# Altium PCB ct_mainpcb.PcbDoc (part 3 of 3)
Units mil, origin at the board's own origin, x right, y up, seen from the top; angles counter-clockwise.
Board outline 3320.87 x 2230 mil, 4 copper layers (Component Side, Ground Plane, Power Plane, Solder Side), stack 33.156 mil thick; 163 components, 169 nets, 876 pads, 286 vias.
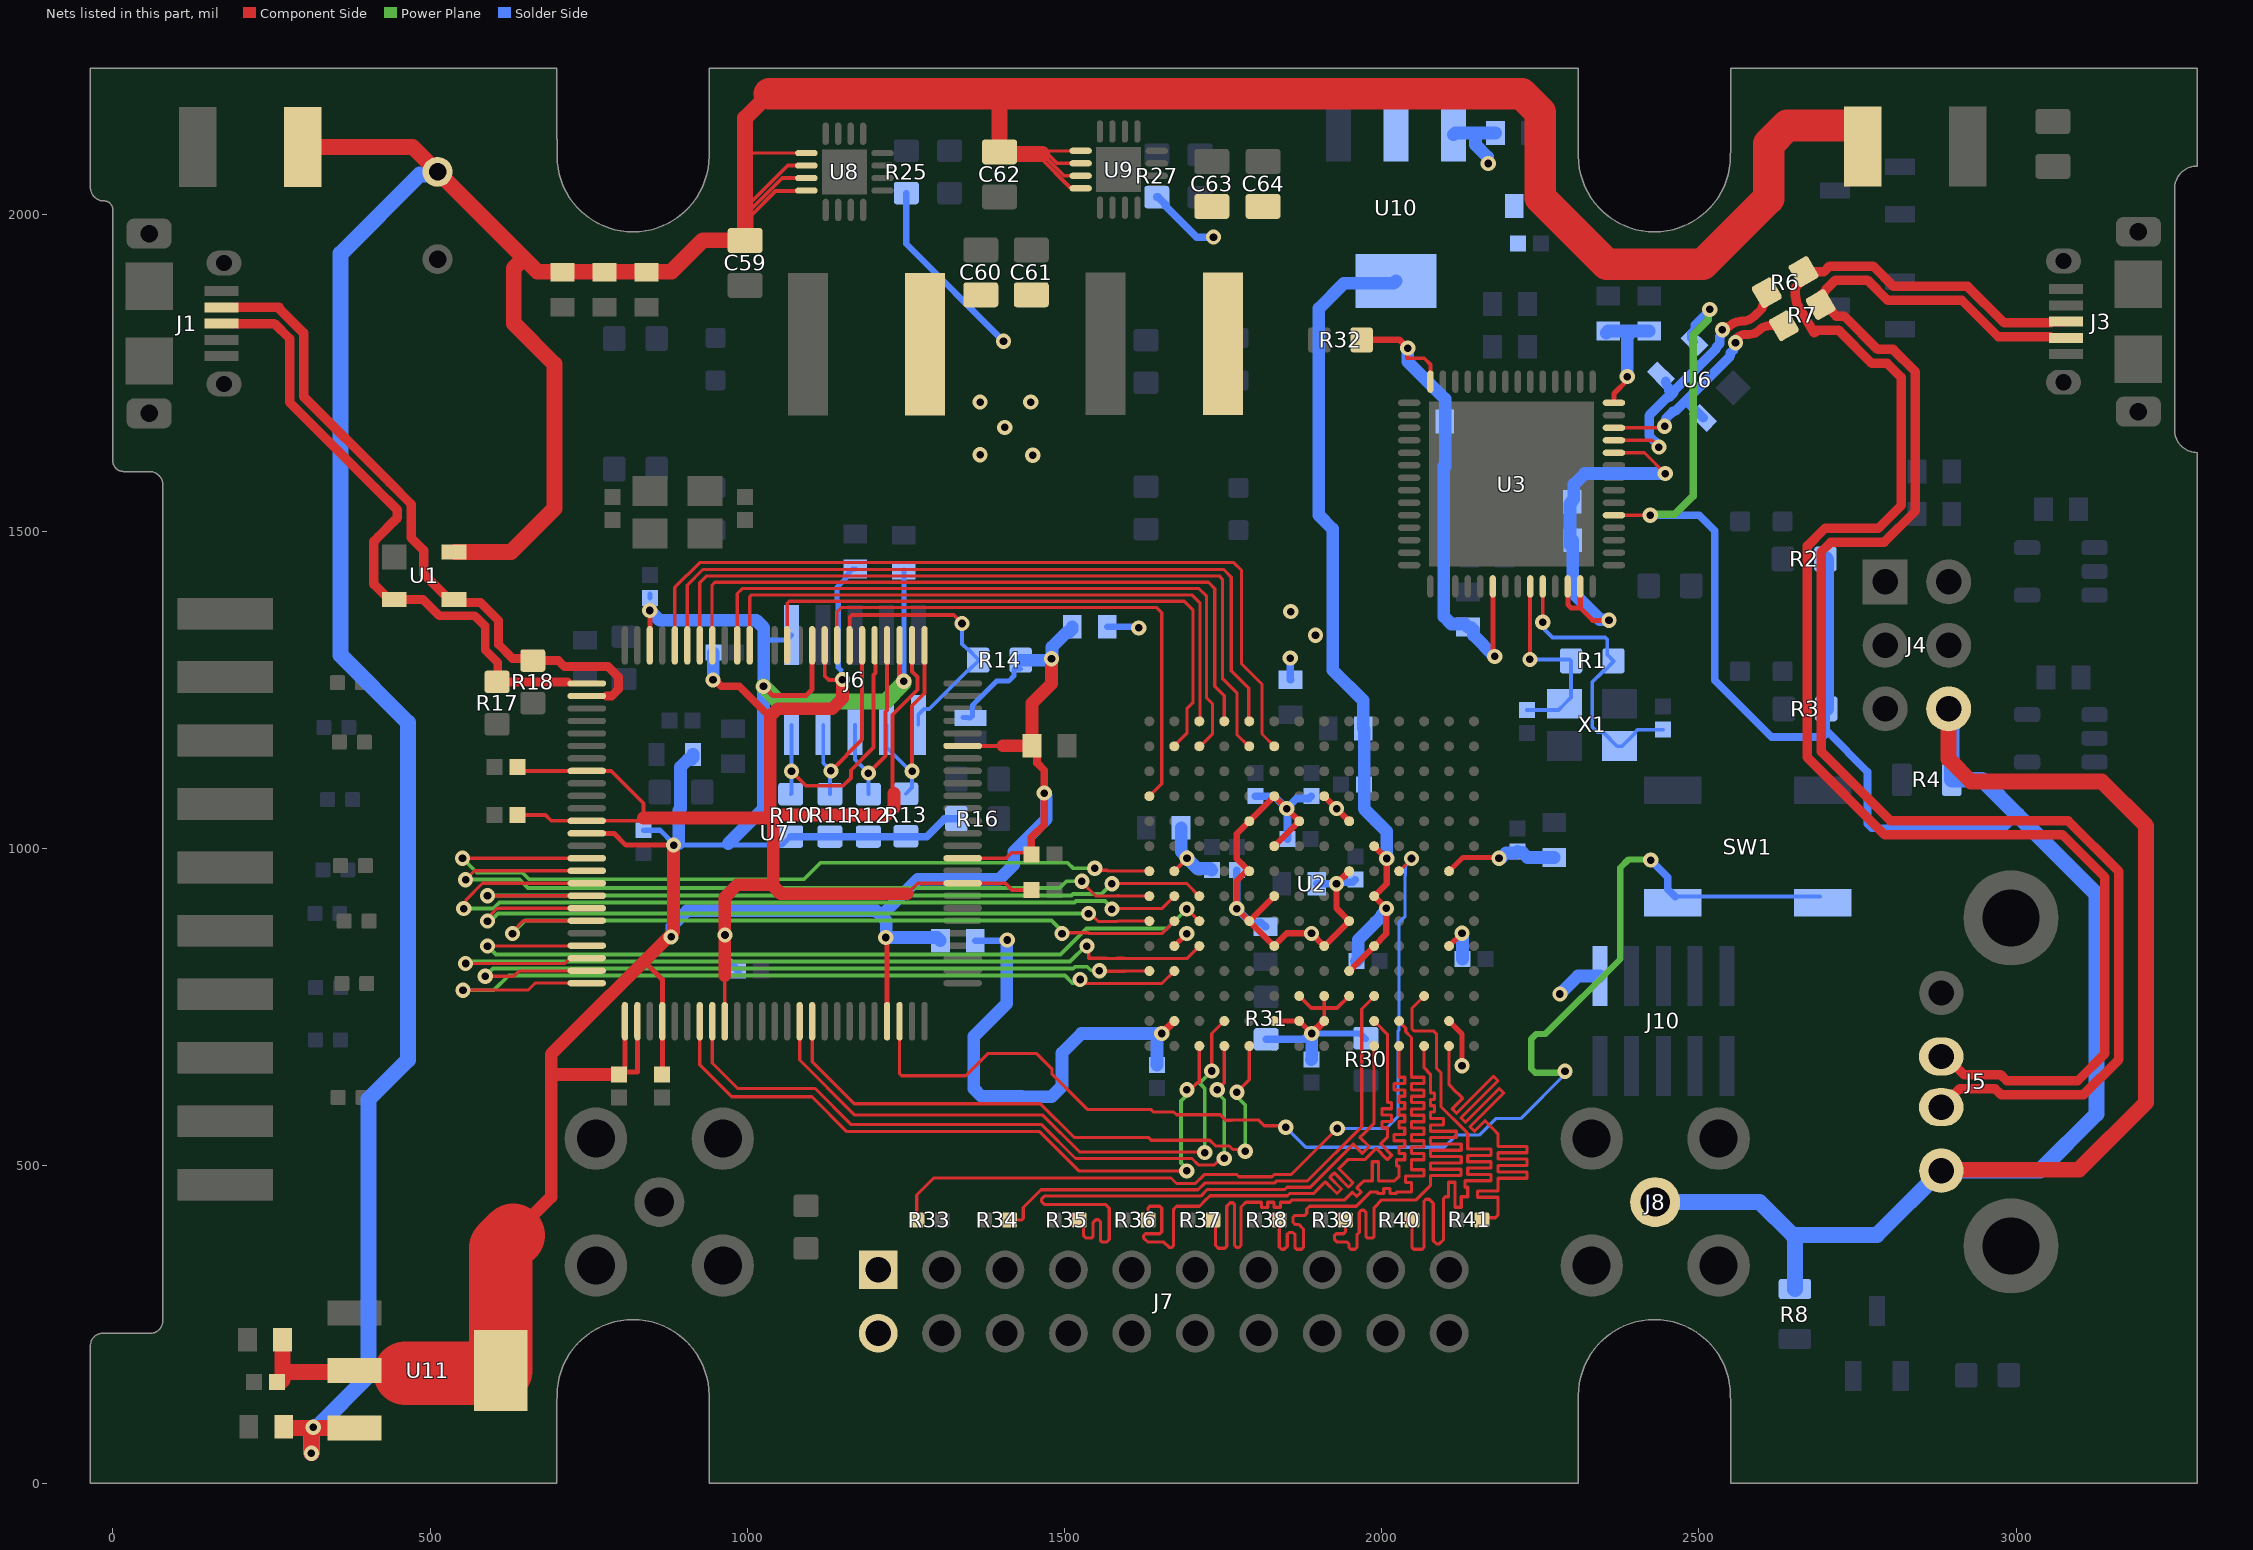
[diagram p5: the nets of this part, all layers, seen from the top]

## Via types
v1: diameter 24, hole 12, Component Side to Solder Side, tented both sides, 279 vias
v2: diameter 200, hole 130, Component Side to Solder Side, 4 vias
v3: diameter 24, hole 12, Component Side to Solder Side, 3 vias

## Nets (pads, with @x,y where several pads share a name; then routed paths per layer and width w, separated by ;. In a path a pad name is that pad's centre, name@x,y a point inside that pad or via, vN(x,y) a via of type N, cw(c..) or ccw(c..) an arc to the next point about the centre after c; other vN are vias at no path point) (continued)
SAM_CORE_1V8: C29.1 C30.1 C31.1 C32.1 C33.1 C35.1 U7.9 U7.34 U7.52 U7.59 U7.83 U7.87 | length 2756
  Component Side w6: C32.1@638.19,1053.15 681.73,1053.15 690.94,1043.94 U7.87@747.05,1043.94 832.2,1043.94 836.61,1048.35 836.61,1071.67 785.61,1122.68 U7.83@747.05,1122.68 644.46,1122.68 C33.1@638.19,1128.95 ; U7.9@964.57,727.99 964.57,800 ; U7.59@1122.05,1320.51 1122.05,1272.38 1128.74,1265.68 1149.15,1265.68 v1(1150,1266.54) ; 1231.3,1087.6 1229.16,1089.74 1229.16,1211.2 1268.53,1250.57 1268.53,1270.54 1259.84,1279.23 U7.52@1259.84,1320.51 ; 1252.29,929 1268.8,945.51 U7.34@1339.57,945.51 1406.81,945.51 1417.32,935 C30.1@1447.75,935.04 C30.1@1447.75,935.04
  Component Side w12: v1(946,1266) 949.03,1266 959.03,1256 987.53,1256 1036.14,1207.38 1036.53,1207 1039,1207
  Component Side w20: 836.61,1048.35 1036.14,1048.35 ; 964.57,800 964.57,923.17 984.72,943.33 1038.49,943.33 1040.94,940.88 ; v1(1150,1266.54) 1150,1236.91 1133.56,1220.47 1047.86,1220.47 1036.14,1208.76 1036.14,1207.38 1036.14,1048.35 ; 1231.3,1087.6 1231.3,1064.87 1219.58,1053.15 1040.94,1053.15 ; 1252.29,929 1052.83,929 1040.94,940.88 ; 1036.14,1048.35 1040.94,1053.15 ; 1040.94,940.88 1040.94,1053.15
  Solder Side w6: 1147.44,1281.44 1147.44,1269.09 v1(1150,1266.54)
  Solder Side w8: 1147.44,1281.44 1143.41,1285.48 1143.41,1388.33 1141.73,1390 1141.73,1412.4 1155.57,1426.24 1155.57,1430.18 1166.34,1440.94 C35.1@1170.28,1440.94
  Solder Side w12: v1(965,864) 965,828.54 C29.1@985.83,807.72
  Solder Side w20: v1(946,1266) 946.46,1266.46 C31.1@946.46,1309.06
SAM_nRST: J6.10 R14.1 U7.57 | length 444
  Component Side w6: U7.57@1161.42,1320.51 1161.42,1364.6 1164.93,1368.11 1325.43,1368.11 v1(1338.58,1354.96)
  Solder Side w6: J6.10@1269.68,1195.23 1269.68,1211.24 1278.5,1220.05 1286.98,1220.05 1348.37,1281.44 1349.57,1281.44 1364.17,1296.05 R14.1@1364.17,1297.24 1364.17,1298.44 1348.68,1313.93 1347.49,1313.93 1338.58,1322.83 v1(1338.58,1354.96)
SAM_TCK: J6.4 R11.2 U7.56 | length 333.2
  Component Side w6: v1(1131.89,1122.66) 1181.1,1171.87 U7.56@1181.1,1320.51
  Solder Side w6: J6.4@1119.68,1195.23 1119.68,1135.17 1131.89,1122.97 v1(1131.89,1122.66) 1130.32,1121.08 R11.2@1130.32,1086.02
SAM_TDI: J6.8 R13.2 U7.51 | length 337.4
  Component Side w6: v1(1259.84,1122.05) 1259.84,1225.39 1279.53,1245.08 U7.51@1279.53,1320.51
  Solder Side w6: J6.8@1219.68,1195.23 1219.68,1159.8 1257.44,1122.05 v1(1259.84,1122.05) 1259.84,1096.45 R13.2@1250,1086.61
SAM_TDO: J6.6 R12.2 U7.54 | length 331.7
  Component Side w6: v1(1190.94,1119.11) 1218.16,1146.32 1218.16,1215.75 1220.47,1218.07 U7.54@1220.47,1320.51
  Solder Side w6: J6.6@1169.68,1195.23 1169.68,1140.37 v1(1190.94,1119.11) R12.2@1190.93,1086.02
SAM_TMS: J6.2 R10.2 U7.55 | length 443.5
  Component Side w6: v1(1069.68,1122.05) 1092.62,1099.11 1150.87,1099.11 1163.37,1111.61 1163.37,1123.75 1199,1159.38 1199,1274 1202,1277 1202,1290.99 1201.52,1291.47 1201.52,1319.78 U7.55@1200.79,1320.51
  Solder Side w6: R10.2@1068.5,1086.02 1069.68,1087.2 v1(1069.68,1122.05) J6.2@1069.68,1195.23
SHUNTL: J4.6 J5.1 J8.1 R2.2 R3.2 R4.2 R8.2 U3.5 U6.4 | length 4646.9
  Component Side w6: U3.5@2366.14,1525.59 v1(2423.35,1525.59)
  Component Side w25: J5.1@2883.61,494 3099,494 3205,600 3205,1036 3135,1106 2929,1106 2893.7,1141.3 J4.6@2893.7,1220.47
  Power Plane w12: v1@2425,1524 2428,1527 2462,1527 2491,1556 2491,1810 2514.79,1833.79 2514.79,1847.79 v1(2517,1850)
  Solder Side w12: v1(2423.35,1525.59) 2500.41,1525.59 2525.21,1500.79 2525.21,1265.79 2615,1176 2695,1176 2703,1184 ; U6.4@2492.89,1798.89 2487.33,1804.46 2487.33,1812.68 2492.89,1818.25 2492.89,1825.89 v1(2517,1850) ; R3.2@2700.79,1220.47 2700.79,1186.21 2703,1184 ; 3002.04,1053.07 2980.97,1032 2772.78,1032 2765.75,1039.03 2765.75,1121.25 2703,1184
  Solder Side w25: J8.1@2431.1,442.91 2595.94,442.91 2647.64,391.22 ; R8.2@2651.36,305.9 2651.36,387.5 2647.64,391.22 ; R2.2@2699.49,1456.69 2700.79,1455.39 R3.2@2700.79,1220.47 ; J4.6@2893.7,1220.47 2898.62,1215.55 R4.2@2898.62,1108.7 2946.41,1108.7 3002.04,1053.07 3126.72,928.4 3126.72,581.69 3037.54,492.52 J5.1@2882.13,492.52 2780.83,391.22 2647.64,391.22
USB35_XIN: C5.1 R1.1 U3.52 X1.1 | length 466.7
  Component Side w6: v1(2253.94,1356.93) U3.52@2253.94,1413.39
  Solder Side w6: v1(2253.94,1356.93) 2257.38,1353.48 2257.38,1344.85 2269.16,1333.07 2352.11,1333.07 2355.62,1329.56 2355.62,1305.89 R1.1@2365.46,1296.05 2365.46,1294.85 2349.97,1279.36 2348.78,1279.36 2332,1262.58 2332,1191.7 2339.72,1183.97 2348.77,1183.97 2371.21,1161.53 X1.1@2375.15,1161.53 2379.09,1161.53 2399.71,1182.15 2399.71,1184 2403.23,1187.52 C5.1@2443.35,1187.52
USB35_XOUT: C6.1 R1.2 U3.51 X1.3 | length 316
  Component Side w6: v1(2233.68,1298.39) 2233.94,1298.64 2233.94,1413.07 U3.51@2234.25,1413.39
  Solder Side w6: C6.1@2229.34,1218.82 2278.9,1218.82 X1.3@2288.54,1228.46 2298.54,1238.45 R1.2@2298.54,1296.05 2296.2,1298.39 v1(2233.68,1298.39)
USB_5V: C1.1 C2.1 C3.1 C4.1 C59.1 C62.1 C66.1 PTC1.2 PTC2.1 U1.4 U8.9 U8.10 U8.11 U8.12 U9.9 U9.10 U9.11 U9.12 U11.3 | length 7062.1
  Component Side w5: 996.54,2084.23 1008.76,2096.46 U8.9@1093.21,2096.46 ; 1465,2095 1469.98,2099.98 U9.9@1525.46,2099.98
  Component Side w6: 995,2008 996.54,2009.54 1063.77,2076.77 U8.10@1093.21,2076.77 ; C59.1@1002,1947 1002,2004 1055.09,2057.09 U8.11@1093.21,2057.09 ; C59.1@1010,1970 1014.71,1970 1007,1977.71 1007,1999 1044.67,2036.67 1092.47,2036.67 U8.12@1093.21,2037.4 ; 1462,2089 1508.15,2042.85 1509.71,2042.85 1511.63,2040.93 U9.12@1525.46,2040.93 ; 1465,2095 1499.39,2060.61 U9.11@1525.46,2060.61 ; 1473,2096 1488.7,2080.3 U9.10@1525.46,2080.3
  Component Side w25: C66.1@269.56,89 271.75,86.81 v1@313,86.81 ; PTC1.2@299.21,2106.3 472.44,2106.3 C4.1@511.81,2066.93 669.29,1909.45 880.45,1909.45 930,1959 996.2,1959 C59.1@996.54,1958.66 996.54,2009.54 996.54,2084.23 996.54,2151.54 1035,2190 ; v1(313,47) v1@313,86.81 ; U11.3@380.91,86.81 v1@313,86.81 ; U1.4@538.06,1467.4 627.4,1467.4 696.02,1536.02 696.02,1763.98 632,1828 632,1915 643,1926 ; 1392,2176 1397.64,2170.36 C62.1@1397.64,2098.43 ; C62.1@1403,2105 1403,2104.7 1412.7,2095 1465,2095
  Component Side w50: 1035,2190 2220.71,2190 2250,2160.71 2250,2026 2354.82,1921.18 2506.18,1921.18 2610,2025 2610,2110.71 2639.29,2140 2753.8,2140 2758.32,2135.47 PTC2.1@2758.32,2107
  Solder Side w25: v1(313,47) 313,85 v1(316,88) 322,88 403,169 403,605 465,667 465,1199 359,1305 359,1938 483.67,2062.67 507.55,2062.67 C4.1@511.81,2066.93
USB_A0: U2.L1 U7.99 | length 1219.7
  Component Side w5: v1(587,799) 632.16,799 640.12,806.95 746.29,806.95 U7.99@747.05,807.72 ; v1(1555.11,807.71) 1556.06,806.77 1595.35,806.77 1595.66,807.09 U2.L1@1633.86,807.09
  Power Plane w6: v1(587,799) 599,811 1513.55,811 1516.41,813.86 1535.96,813.86 1541.57,808.26 1553.94,808.26 1554.49,807.71 v1(1555.11,807.71)
USB_A1: U2.L2 U7.100 | length 1348
  Component Side w5: v1(552,777) 654.33,777 665.36,788.03 U7.100@747.05,788.03 ; v1(1524.7,793.86) 1530.97,787.59 1653.73,787.59 U2.L2@1673.23,807.09
  Power Plane w6: v1(552,777) 601,777 624,800 1500.86,800 1512.35,788.51 1514.48,788.51 1519.82,793.86 v1(1524.7,793.86)
USB_A2: U2.G1 U7.90 | length 1308.5
  Component Side w5: v1(551.18,984.88) U7.90@747.05,984.88 ; v1(1547.87,969.29) 1551.05,966.11 1567.37,966.11 1568.92,964.57 U2.G1@1633.86,964.57
  Power Plane w6: v1(551.18,984.88) 573.88,962.18 645.84,962.18 656.14,951.88 1089.45,951.88 1115.51,977.94 1505.02,977.94 1513.67,969.29 v1(1547.87,969.29)
USB_A3: U2.H1 U7.91 | length 1294.1
  Component Side w5: v1(556,951.18) 570.02,965.2 U7.91@747.05,965.2 ; v1(1527.47,948.68) 1527.47,947.26 1549.36,925.38 1582.88,925.38 1583.32,925.83 1585.5,925.83 1586.13,925.2 U2.H1@1633.86,925.2
  Power Plane w6: v1(556,951.18) 641.28,951.18 654.52,937.94 1492.25,937.94 1502.99,948.68 1521.08,948.68 v1@1524.53,945.24
USB_A4: U2.H2 U7.92 | length 1357.6
  Component Side w5: v1(553.28,905.51) 556.92,909.15 556.92,919.77 582.66,945.51 U7.92@747.05,945.51 ; v1(1574.8,904.77) 1576.17,906.14 1585.5,906.14 1586.13,905.51 1653.54,905.51 U2.H2@1673.23,925.2
  Power Plane w6: v1(553.28,905.51) 581.95,905.51 582.27,905.83 598.83,905.83 599.35,905.31 609.39,915.35 1515.75,915.35 1518.07,917.68 1564.09,917.68 1574.8,906.97 v1(1574.8,904.77)
USB_A5: U2.P3 U7.7 | length 1123
  Component Side w5: U7.7@925.2,727.99 925.2,659.45 975.65,609 1102.14,609 1157.14,554 1460.86,554 1522.73,492.12 v1(1692.91,492.12) ; v1(1693,620) 1698.07,620 1709.32,631.25 1712.6,631.25 U2.P3@1712.6,688.98
  Power Plane w6: v1(1692.91,492.12) 1692.91,495.59 1683.86,504.64 1683.86,602.51 1691.58,610.23 1691.58,618.58 v1(1693,620)
USB_A6: U2.P4 U7.8 | length 1133.2
  Component Side w5: U7.8@944.88,727.99 944.88,662.18 985.06,622 1107,622 1164,565 1464,565 1517.38,511.62 1700.99,511.62 1711.11,501.5 1736.51,501.5 1746.82,511.81 v1(1751.97,511.81) ; v1(1741,620) 1751.97,630.97 U2.P4@1751.97,688.98
  Power Plane w6: v1(1741,620) 1739.77,620 1738,618.23 1751.97,604.27 v1(1751.97,511.81)
USB_A7: U2.J3 U7.97 | length 1322.1
  Component Side w5: v1(590.55,846.46) 590.73,846.64 746.6,846.64 U7.97@747.05,847.09 ; v1(1692.76,905) 1693.43,905 U2.J3@1712.6,885.83
  Power Plane w6: v1(590.55,846.46) 604.01,833 1493.69,833 1534.91,874.22 1661.98,874.22 v1(1692.76,905)
USB_CLK: U2.D1 U7.58 | length 868.4
  Component Side w5: U7.58@1141.73,1320.51 1141.73,1373.73 1148,1380 1547,1380 1645.54,1380 1653.5,1372.04 1653.5,1102.32 U2.D1@1633.86,1082.68
USB_D0: U2.B6 U7.71 | length 1304.7
  Component Side w5: U7.71@885.83,1320.51 885.83,1411.83 925,1451 1767,1451 1779,1439 1779,1291.42 1811.34,1259.08 1811.34,1180.79 U2.B6@1830.71,1161.42
USB_D1: U2.A5 U7.70 | length 1206.6
  Component Side w5: U7.70@905.51,1320.51 905.51,1415.51 930,1440 1751,1440 1763,1428 1763,1280.27 1790.5,1252.77 1790.5,1201.63 U2.A5@1791.34,1200.79
USB_D2: U2.H3 U7.93 | length 1294.7
  Component Side w5: v1(590.55,925.83) U7.93@747.05,925.83 ; v1(1574.8,944.88) 1586.38,944.88 1586.53,945.03 1692.76,945.03 U2.H3@1712.6,925.2
  Power Plane w6: v1(590.55,925.83) 591.08,926.35 1511.19,926.35 1513.52,928.68 1558.6,928.68 v1(1574.8,944.88)
USB_D3: U2.J1 U7.94 | length 1221.5
  Component Side w5: v1(590.55,885.83) 590.55,890.97 601.26,901.67 ; 601.26,901.72 605.68,906.14 U7.94@747.05,906.14 ; v1(1537.93,897.68) 1540.68,897.68 1553.1,885.27 1582.88,885.27 1583.44,885.83 U2.J1@1633.86,885.83
  Power Plane w6: v1(590.55,885.83) 595.42,885.83 607.28,897.68 v1(1537.93,897.68)
USB_D4: U2.J2 U7.95 | length 1195.5
  Component Side w5: v1(629.92,866.14) 629.92,869.29 647.09,886.46 U7.95@747.05,886.46 ; v1(1496.06,866.14) 1497.28,867.36 1537.53,867.36 1538.75,866.14 1653.54,866.14 U2.J2@1673.23,885.83
  Power Plane w6: v1(629.92,866.14) 629.92,866.63 649.97,886.68 1479.53,886.68 v1@1496.06,870.15
USB_D5: U2.B5 U7.69 | length 1210.7
  Component Side w5: U7.69@925.2,1320.51 925.2,1419.2 936,1430 1744,1430 1749,1425 1749,1268.69 1771.81,1245.88 1771.81,1180 1790.39,1161.42 U2.B5@1791.34,1161.42
USB_D6: U2.P5 U7.16 | length 987.4
  Component Side w5: U7.16@1102.36,727.99 1102.36,664.06 1168.42,598 1462,598 1515,545 1632.14,545 1636.64,540.5 1729.08,540.5 1738.27,531.31 1760.04,531.31 1765.5,525.85 1782.15,525.85 v1(1785,523) ; v1(1771.81,616.11) 1791.34,635.64 U2.P5@1791.34,688.98
  Power Plane w6: v1(1771.81,616.11) 1768.39,612.68 1785,596.07 v1(1785,523)
USB_D7: U2.N4 U7.15 | length 986.6
  Component Side w5: U7.15@1082.68,727.99 1082.68,666.9 1169.58,580 1465.86,580 1524.05,521.81 1720.19,521.81 v1(1721,521) ; v1(1732.28,649.61) 1732.28,708.66 U2.N4@1751.97,728.35
  Power Plane w6: v1(1721,521) 1721,622.32 1716,627.32 1713,630.32 v1(1732.28,649.61)
USB_NCS: U2.A3 U7.65 | length 979.7
  Component Side w5: U7.65@1003.94,1320.51 1003.94,1396.94 1007,1400 1560,1400 1700.9,1400 1713.83,1387.07 1713.83,1202.02 U2.A3@1712.6,1200.79
USB_NRD: U2.B3 U7.66 | length 1079.6
  Component Side w5: U7.66@984.25,1320.51 984.25,1402.25 992,1410 1712,1410 1724,1398 1724,1237.51 1733.51,1228 1733.51,1181.1 1713.83,1161.42 U2.B3@1712.6,1161.42
USB_NWE: U2.B2 U7.62 | length 940
  Component Side w5: U7.62@1062.99,1320.51 1062.99,1387.07 1065.92,1390 1688.85,1390 1702.5,1376.35 1702.5,1230.06 1692.91,1220.47 1692.91,1181.73 1673.23,1162.05 U2.B2@1673.23,1161.42
USB_PWR: SW1.1 SW1.4 U7.23 | length 2056.9
  Component Side w5: U7.23@1240.16,727.99 1240.16,645.14 1243.09,642.21 1344.21,642.21 1379,677 1456.58,677 1480.21,653.36 1480.21,644.93 1536.14,589 1636.14,589 1640.14,585 1672.14,585 1676.64,580.5 1745.65,580.5 1754.15,572 1764,572 1764.5,572.5 1805.5,572.5 1814.71,563.29 1846.71,563.29 v1(1849,561)
  Power Plane w10: v1(2289,649) 2287,647 2241.86,647 2236,652.86 2236,700 2243.89,707.89 2257.89,707.89 2376,826 2376,970 2389,983 v1@2420,983
  Solder Side w5: v1(1849,561) 1880.5,529.5 2098.84,529.5 2117.78,548.44 2153.56,548.44 2179.62,574.5 2219.07,574.5 2289,644.43 v1(2289,649)
  Solder Side w6: SW1.1@2462.83,924.45 SW1.4@2691.17,924.45
  Solder Side w12: v1(2424,982) 2450.89,955.11 2450.89,936.39 SW1.1@2462.83,924.45
USB_SPARE0: U2.K3 U7.98 | length 1388.6
  Component Side w5: v1(556,819) 712.29,819 720.69,827.4 U7.98@747.05,827.4 ; v1(1535.43,846.45) 1538.36,843.53 1538.36,827.4 1566.28,827.4 1566.73,826.96 1582.88,826.96 1583.33,827.4 1594.49,827.4 1595.12,826.77 1692.91,826.77 U2.K3@1712.6,846.46
  Power Plane w6: v1(556,819) 559,822 1492.61,822 1508.99,822 1533.45,846.45 v1(1535.43,846.45)
USB_SPARE1: U2.A4 U7.68 | length 1109.1
  Component Side w5: U7.68@944.88,1320.51 944.5,1320.89 944.5,1415.5 949,1420 1727,1420 1737,1410 1737,1256 1751.97,1241.03 U2.A4@1751.97,1200.79
USBD_N: J1.2 R18.1 U1.3 U7.77 | length 1038
  Component Side w14: U1.3@538.06,1392.6 542.42,1388.24 579.24,1388.24 608.03,1359.45 608.03,1321.89 630.23,1299.69 649.31,1299.69 649.81,1300.19 R18.1@649.81,1306.68 ; R18.1@662,1296.46 702.54,1296.46 712,1287 780.85,1287 796.85,1271 796.85,1251.32 786,1240.47 778,1240.47
  Component Side w15: J1.2@192.91,1853.35 262.07,1853.35 262.07,1851.55 300.77,1812.85 300.77,1712.61 436.4,1576.98 470.42,1542.96 470.42,1512.31 470,1511.9 470,1490.14 490,1470.14 490,1432.78 530.18,1392.6 U1.3@538.06,1392.6 U1.3@536.59,1391.13 ; R18.1@649.81,1306.68 660.03,1296.46 R18.1@662,1296.46 R18.1@664.1,1298.56
USBD_P: J1.3 R17.1 U1.2 U7.76 | length 985.9
  Component Side w14: U1.2@443.57,1392.6 489.17,1392.6 514.53,1367.24 570.54,1367.24 587.03,1350.75 587.03,1313.2 606.71,1293.52 606.71,1273.72 601.35,1268.37 R17.1@600.31,1268.37 ; R17.1@605.68,1263 708.66,1263 716.86,1263
  Component Side w15: J1.3@192.91,1827.76 254.75,1827.76 278.77,1803.74 278.77,1703.5 414.4,1567.86 448.42,1533.85 448.42,1521.42 443.34,1516.34 418.71,1491.71 411.38,1484.39 411.38,1416.91 435.69,1392.6 U1.2@443.57,1392.6 U1.2@445.03,1391.13 ; R17.1@600.31,1268.37 R17.1@605.68,1263
USBF_D_N: R7.1 U3.12 U6.2 | length 386.9
  Component Side w5: U3.12@2366.14,1663.39 2443.39,1663.39 v1(2446,1666)
  Component Side w14: v1(2557.68,1797.32) 2557.68,1801.32 cw(c2561.68,1801.32) 2558.85,1804.15 cw(c2574.34,1788.66) 2574.34,1810.57 2578.57,1810.57 ccw(c2578.57,1834.18) 2595.27,1817.49 cw(c2611.97,1800.79) 2611.97,1824.4 2633.88,1824.4 R7.1@2634.02,1824.27
  Solder Side w8: v1(2446,1666) v1@2446,1668.3
  Solder Side w15: v1(2446,1666) 2447.72,1667.72 2447.72,1677.82 2459.14,1689.23 2462.23,1689.23 2549.66,1776.66 2549.66,1781.53 2555.96,1787.82 2555.96,1795.6 v1(2557.68,1797.32) ; 2481,1705 U6.2@2506.81,1679.19
USBF_D_P: R6.1 U3.11 U6.3 | length 447.4
  Component Side w5: U3.11@2366.14,1643.7 2426.3,1643.7 v1(2437,1633)
  Component Side w14: v1(2537.17,1817.83) ccw(c2537.17,1824.36) 2541.78,1819.73 2543.37,1821.32 cw(c2548.41,1816.28) 2548.41,1823.41 cw(c2568.11,1803.7) 2568.11,1831.57 ccw(c2568.11,1859.44) 2587.82,1839.73 2598.82,1850.74 ccw(c2596.38,1853.18) 2599.84,1853.18 cw(c2603.29,1853.18) 2600.85,1855.63 2603.43,1858.21 ccw(c2594.76,1866.88) 2607.02,1866.88 R6.1@2607.02,1876.27
  Solder Side w8: v1(2437,1633) ccw(c2441.83,1637.83) v1@2441.83,1631
  Solder Side w15: v1(2437,1633) 2437,1635.44 2421.5,1650.94 2421.5,1682.71 2450.02,1711.23 2453.12,1711.23 2460.44,1718.56 ; U6.3@2448,1737 ccw(c2462.49,1737) 2452.23,1726.77 2452.24,1721.76 2456.5,1717.5 2503.12,1764.12 2503.64,1764.12 2527.66,1788.15 2527.66,1790.64 2533.18,1796.16 2533.18,1807.47 2535.45,1809.74 2535.45,1816.11 v1(2537.17,1817.83)
USBT_D_N: J3.2 J5.2 R7.2 | length 2507.2
  Component Side w15: J5.2@2892.08,602.47 2911.13,621.52 2967.02,621.52 2976.3,612.23 3106.35,612.23 3162,667.89 3162,964.11 3082.11,1044 2802,1044 2693,1153 2693,1468 2708,1483 2792.11,1483 2841,1531.89 2841,1752.11 2806.11,1787 2781.71,1787 2729.27,1839.44 2716.83,1839.44 2705.94,1850.33 2696.79,1850.33 2691.98,1845.52 R7.2@2691.98,1857.73 2691.98,1871.91 2700.28,1880.21 2700.28,1881.25 2715.28,1896.25 2765.75,1896.25 2797.56,1864.44 2914.44,1864.44 2971.97,1806.91 3054.31,1806.91 3056.1,1805.12 J3.2@3074.8,1805.12
USBT_D_P: J3.3 J5.3 R6.2 | length 2550.2
  Component Side w15: J5.3@2889.41,672.52 2918.41,643.52 2976.13,643.52 2985.41,634.23 3097.23,634.23 3140,677 3140,955 3073,1022 2792.89,1022 2671,1143.89 2671,1477.11 2698.89,1505 2783,1505 2819,1541 2819,1743 2797,1765 2772.6,1765 2720.16,1817.44 2686.44,1817.44 2682,1813 2654,1860 2652,1873 2652,1884.16 2664.98,1897.14 R6.2@2664.98,1909.73 2665.41,1909.3 2697.23,1909.3 2706.17,1918.25 2774.86,1918.25 2806.67,1886.44 2923.56,1886.44 2981.09,1828.91 3054.31,1828.91 3056.1,1830.71 J3.3@3074.8,1830.71
USERIO_CLK: R33.1 U2.G11 | length 1302.7
  Component Side w5: R33.1@1267.3,414.78 1267.3,454.19 1294.1,480.99 1668,480.99 1676.68,472.31 1706.32,472.31 1720.19,486.19 1771.9,486.19 1775.27,482.82 1826.97,482.82 1830.58,486.42 1857.42,486.42 v1(1930,559) ; U2.G11@2027.56,964.57 2047,984.01 v1(2047,984.57)
  Solder Side w5: v1(1930,559) 2007,559 2026,578 2026,713.01 2027.5,714.51 2027.5,884.11 2037,893.61 2037,957.44 2037.5,957.94 2037.5,972.14 2047,981.64 v1(2047,984.57)
USERIO_D0: R41.1 U2.P13 | length 1028.3
  Component Side w5: U2.P13@2106.3,688.98 2106.3,627.62 2116.92,617 2120.46,613.46 2127.53,606.39 2110.98,589.84 2118.05,582.77 2134.6,599.32 2176.28,641 2183.35,633.93 2141.67,592.25 2125.12,575.7 2132.19,568.63 2148.74,585.18 2185.47,621.91 2192.54,614.84 2155.81,578.11 2139.26,561.56 2146.33,554.49 2162.88,571.04 2169.95,563.97 2171.46,562.47 2176.59,557.33 2183.16,550.76 2183.16,535.61 2183.16,530.61 2228.93,530.61 2228.93,520.61 2183.16,520.61 2183.16,510.61 2228.93,510.61 2228.93,500.61 2183.16,500.61 2183.16,490.61 2228.93,490.61 2228.93,480.61 2183.16,480.61 2183.16,475 2183.16,469.3 2183.16,462 2183.16,460.66 2150.98,460.66 2150.98,450.66 2183.16,450.66 2183.16,445.66 2183.16,422.02 2179.45,418.31 2161.36,418.31 R41.1@2157.8,414.75
USERIO_D1: R40.1 U2.M12 | length 1027.4
  Component Side w5: R40.1@2047.67,414.76 2047.67,371.63 2050.8,368.5 2063.84,368.5 2066.77,371.43 2066.77,444.55 2069.7,447.48 2074.85,447.48 2081.39,440.94 2081.39,382.16 2086.51,377.05 2090.65,377.05 2097.61,384.01 2097.61,448.51 2100.54,451.44 2105.54,451.44 2105.54,474.07 2115.54,474.07 2115.54,451.44 2115.54,434.68 2125.54,434.68 2125.54,451.44 2135.54,451.44 2135.83,451.44 2135.83,456.44 2135.83,466.44 2131.12,466.44 2131.12,476.44 2135.83,476.44 2172.55,476.44 2172.55,486.44 2135.83,486.44 2135.83,496.44 2172.55,496.44 2172.55,506.44 2135.83,506.44 2135.83,516.44 2172.55,516.44 2172.55,526.44 2135.83,526.44 2135.83,536.44 2135.83,546.44 2135.83,550.86 2132.29,554.39 2129.89,556.8 2093.5,593.18 2093.5,646.65 2086.61,653.54 2086.61,707.57 2081.39,712.79 2050.8,712.79 2047.87,715.72 2047.87,748.66 U2.M12@2066.93,767.72
USERIO_D2: R39.1 U2.P12 | length 1037.2
  Component Side w5: R39.1@1949.86,421.71 R39.1@1942.91,414.76 1942.91,396.04 1939.98,393.11 1928.35,393.11 1925.42,390.18 1925.42,384.22 1929.76,379.88 1945.58,379.88 1948.5,376.95 1948.5,371.43 1951.43,368.5 1958.04,368.5 1960.97,371.43 1960.97,391.48 1964.57,395.08 1964.57,426.61 1968.04,430.08 1972.18,430.08 1975.11,427.15 1975.11,389.15 1978.04,386.22 1985.26,386.22 1988.19,389.15 1988.19,434.25 2000.36,446.42 2054.35,446.42 2076.77,468.84 2076.77,474 2076.77,474.68 2076.77,484.68 2124.86,484.68 2124.86,494.68 2076.77,494.68 2076.77,504.68 2125.58,504.68 2125.58,514.68 2076.77,514.68 2076.77,524.68 2125.58,524.68 2125.58,534.68 2076.77,534.68 2076.77,544.68 2117.61,544.68 2117.61,554.68 2076.77,554.68 2076.77,564.68 2097.61,564.68 2097.61,574.68 2076.77,574.68 2076.77,584.68 2083.25,584.68 2083.25,594.68 2076.77,594.68 2076.77,604.68 2083.25,604.68 2083.25,614.68 2076.77,614.68 2076.77,619.68 2076.77,644.68 2066.93,654.53 U2.P12@2066.93,688.98
USERIO_D3: R38.1 U2.N11 | length 1027.7
  Component Side w5: R38.1@1838.58,414.76 1838.58,372.18 1842.26,368.5 1846.71,368.5 1851.28,373.08 1851.28,392.15 1854.21,395.08 1860.24,395.08 1863.17,392.15 1863.17,371.5 1866.16,368.5 1873.82,368.5 1876.81,371.5 1876.81,400.17 1869.16,407.82 1863.17,407.82 1860.24,410.74 1860.24,419.09 1863.17,422.02 1878.96,422.02 1881.89,424.95 1881.89,432.05 1886.26,436.42 1960.24,436.42 1982.82,459 1985.11,459 1993.36,459 1993.36,456.5 2003.36,456.5 2003.36,459 2003.36,464.37 2013.36,464.37 2013.36,459 2013.36,456.5 2023.36,456.5 2023.36,459 2028.36,459 2047,459 2047,468.84 2047,473.84 2037.56,473.84 2037.56,483.84 2047,483.84 2066.77,483.84 2066.77,493.84 2047,493.84 2047,502 2047,508 2047,509.68 2066.77,509.68 2066.77,519.68 2047,519.68 2047,529.68 2066.77,529.68 2066.77,539.68 2047,539.68 2047,549.68 2066.77,549.68 2066.77,559.68 2047,559.68 2047,569.68 2066.77,569.68 2066.77,579.68 2047,579.68 2047,589.68 2066.77,589.68 2066.77,599.68 2047,599.68 2047,609.68 2066.77,609.68 2066.77,619.68 2047,619.68 2047,629.68 2066.77,629.68 2066.77,639.68 2047,639.68 2047,644.68 2047,702.46 2037.87,711.58 2037.87,716.92 2027.56,727.23 U2.N11@2027.56,728.35
USERIO_D4: R37.1 U2.P11 | length 1038.2
  Component Side w5: R37.1@1741,421.71 R37.1@1734.05,414.76 1738.27,410.54 1738.27,374.43 1742.57,370.13 1752.78,370.13 1755.71,373.06 1755.71,436.41 1761.07,441.77 1765.21,441.77 1768.14,438.84 1768.14,374.43 1771.07,371.5 1775.29,371.5 1778.22,374.43 1778.22,413.78 1778.22,420.13 1778.22,430.13 1778.22,435.13 1785.91,442.82 1790.42,442.82 1800.42,442.82 1810.42,442.82 1810.42,434.6 1820.42,434.6 1820.42,442.82 1830.42,442.82 1830.42,434.76 1840.42,434.76 1840.42,442.82 1850.42,442.82 1855.42,442.82 1859.02,446.42 1866.81,446.42 1876.81,446.42 1886.81,446.42 1896.81,446.42 1906.81,446.42 1916.81,446.42 1926.81,446.42 1936.81,446.42 1941.81,446.42 1946.83,451.44 1953.9,458.51 1960.56,451.85 1967.63,458.92 1960.97,465.58 1968.04,472.65 1971.58,476.19 1975.11,476.19 1985.11,476.19 1985.11,506.49 1995.11,506.49 1995.11,476.19 2005.11,476.19 2015.11,476.19 2020.11,476.19 2027.56,483.63 2027.56,489.68 2027.56,499.68 2023.51,499.68 2023.51,509.68 2027.56,509.68 2036.31,509.68 2036.31,519.68 2027.56,519.68 2027.56,529.68 2036.31,529.68 2036.31,539.68 2027.56,539.68 2019.64,539.68 2019.64,549.68 2027.56,549.68 2036.31,549.68 2036.31,559.68 2027.56,559.68 2027.56,569.68 2036.31,569.68 2036.31,579.68 2027.56,579.68 2027.56,589.68 2036.31,589.68 2036.31,599.68 2027.56,599.68 2027.56,609.68 2036.31,609.68 2036.31,619.68 2027.56,619.68 2019.64,619.68 2019.64,629.68 2027.56,629.68 2036.31,629.68 2036.31,639.68 2027.56,639.68 2027.56,644.68 U2.P11@2027.56,688.98
USERIO_D5: R36.1 U2.N10 | length 1027.9
  Component Side w5: R36.1@1631.63,414.75 1631.63,433.48 1634.56,436.4 1650.35,436.4 1653.28,433.48 1653.28,396.03 1650.35,393.1 1627.67,393.1 1624.74,390.17 1624.74,386.22 1625.28,386.22 1631.63,379.88 1656.69,379.88 1665.07,371.5 1669.21,371.5 1672.14,374.43 1672.14,431.87 1676.68,436.41 1712.84,436.41 1724.41,447.98 1724.7,447.98 1729.54,452.82 1820.67,452.82 1851.28,452.82 1854.88,456.42 1863.17,456.42 1867.94,456.42 1877.94,456.42 1887.94,456.42 1892.94,456.42 1897.13,460.61 1904.2,467.68 1911.28,474.75 1929.61,456.42 1936.68,463.49 1918.35,481.82 1925.42,488.89 1947.78,466.53 1954.85,473.6 1932.49,495.96 1936.02,499.5 1946.4,509.88 1954,509.88 1959,509.88 1969,509.88 1973.68,509.88 1977.21,513.41 1984.28,520.48 1991.35,527.56 2008.96,509.95 2016.03,517.03 1998.42,534.63 2005.5,541.7 2008.96,545.16 2008.96,550.16 2008.96,560.16 2000.36,560.16 2000.36,570.16 2008.96,570.16 2015.39,570.16 2015.39,580.16 2008.96,580.16 2000.36,580.16 2000.36,590.16 2008.96,590.16 2015.39,590.16 2015.39,600.16 2008.96,600.16 2008.96,649.61 2008.96,707.58 U2.N10@1988.19,728.35
USERIO_D6: R35.1 U2.P10 | length 1028.4
  Component Side w5: R35.1@1523.17,414.76 1530.12,407.82 1530.12,390 1533.9,386.22 1542.27,386.22 1545.2,389.15 1545.2,410.85 1549.51,415.16 1553.65,415.16 1556.58,412.23 1556.58,382.81 1559.51,379.88 1566.28,379.88 1570.6,384.2 1570.6,433.49 1565.09,439 1468.7,439 1464,443.7 1464,447.98 1468.33,452.31 1714.6,452.31 1725.1,462.82 1847.14,462.82 1850.74,466.42 1887.31,466.42 1946.45,525.55 1955.15,534.26 1969.53,519.88 1980.14,530.48 1965.76,544.86 1971.06,550.17 1988.19,567.29 U2.P10@1988.19,688.98
USERIO_D7: R34.1 U2.M10 | length 840.2
  Component Side w5: R34.1@1413.39,414.77 1432.7,414.77 1435.04,417.11 1435.04,434.33 1463.02,462.31 1710.46,462.31 1720.96,472.82 1831.12,472.82 1834.72,476.42 1883.17,476.42 1968.5,561.75 1968.5,747.27 1988.19,766.96 U2.M10@1988.19,767.72
VCC1V8: C49.1 C50.1 C51.1 C70.1 C71.1 U2.F10 U2.H10 U2.K10 U2.L9 U10.2 U10.4 | length 1399.2
  Component Side w10: U2.L9@1948.82,807.09 U2.K10@1988.19,846.46 2007.5,865.77 v1(2007.5,905.83) U2.H10@1988.19,925.2 ; U2.H10@1988.19,925.2 2007.87,944.88 v1(2007.87,984.57) 1988.5,1003.94 U2.F10@1988.19,1003.94
  Solder Side w20: C50.1@1960.24,823 1962.83,825.6 1962.83,836.65 1963,836.82 1963,856 2000,893 2000,895.5 2005.5,901 2005.5,902.74 2007.5,904.74 v1(2007.5,905.83) ; v1(2007.87,984.57) 2007.87,1027.47 1972.5,1062.84 C49.1@1972.5,1101 1972.5,1188.17 C51.1@1971.06,1189.61 1971.06,1233.48 1922.76,1281.79 1922.76,1503.78 1900.95,1525.59 1900.95,1851.73 1940.46,1891.25 2019.08,1891.25 U10.4@2022.72,1894.89
VCCINT: C41.1 C42.1 C43.1 C44.1 C45.1 C46.1 C47.1 C48.1 C63.1 C64.1 L3.2 R27.1 U2.D6 U2.D8 U2.E5 U2.E7 U2.E9 U2.F6 U2.G5 U2.G9 U2.H6 U2.J5 U2.J9 U2.K6 U2.K8 | length 1258.2
  Component Side w10: U2.H6@1830.71,925.2 U2.J5@1791.34,885.83 ; U2.F6@1830.71,1003.94 U2.E7@1870.08,1043.31 v1(1850.24,1063.15) U2.D6@1830.71,1082.68 U2.E5@1791.34,1043.31 1771.65,1023.62 1771.65,984.25 U2.G5@1791.34,964.57 1786.81,964.57 1771.65,949.41 v1(1771.65,905.51) U2.J5@1791.34,885.83 ; U2.D8@1909.45,1082.68 v1(1928.98,1063.15) U2.E9@1948.82,1043.31 ; U2.G9@1948.82,964.57 1948.5,964.57 v1(1928.82,944.88) 1928.82,905.83 U2.J9@1948.82,885.83 U2.K8@1909.45,846.46 v1(1889.45,866.46) 1850.39,866.46 1830.71,846.77 U2.K6@1830.71,846.46 U2.J5@1791.34,885.83
  Solder Side w12: R27.1@1645.54,2027.15 1647.51,2027.15 1659.23,2015.43 1659.23,2013.46 1708.69,1964 v1(1735,1964) ; C45.1@1771.65,966.14 v1(1771.65,905.51) 1792.87,884.3 1809.55,884.3 C46.1@1816.93,876.91 ; C42.1@1801.18,1082.89 1830.5,1082.89 v1(1850.24,1063.15) 1866.23,1079.14 1885.39,1079.14 C43.1@1889.13,1082.89 ; v1@1849,1062 1851.5,1059.5 C44.1@1851.5,1015 ; v1(1855.84,1300.35) 1855.84,1266.79 C48.1@1856.3,1266.33 ; C47.1@1897.64,944.88 v1(1928.82,944.88) 1931.11,947.18 1954.66,947.18 C41.1@1958.66,951.18
  other v1: 1895.76,1336.25 1856.56,1373.73
VCCIO: C7.1 C8.1 C9.1 C10.1 C11.1 C12.1 C39.2 C40.2 C52.1 C53.1 C54.1 C55.1 C56.1 C57.1 C58.1 C60.1 C61.1 C69.1 J7.1 J7.2 J10.1 L2.2 R25.1 R30.1 R31.1 R32.1 U2.G2 U2.G13 U2.K2 U2.K13 U2.M7 U2.M8 U2.M9 U2.N2 U2.N6 U2.N7 U2.N8 U2.N13 U3.10 U3.14 U3.28 U3.48 U3.54 U3.55 U10.3 | length 3872.5
  Component Side w5: U3.10@2366.14,1624.02 2414.27,1624.02 v1(2447,1591.28)
  Component Side w6: U2.G2@1673.23,964.57 1693.16,984.5 v1(1693.16,984.88) ; U2.M7@1870.08,767.72 1889.13,748.66 1909.45,748.66 ; U2.N8@1909.45,728.35 1909.45,748.66 ; U2.M8@1909.45,767.72 1909.45,748.66 ; U2.M9@1948.82,767.72 1929.76,748.66 1909.45,748.66 ; v1(2041,1789) 2040,1788 2040,1772.99 2067.24,1772.99 2076.77,1763.46 U3.28@2076.77,1736.22
  Component Side w8: U2.K2@1673.23,846.46 1692.09,865.32 v1(1692.91,866.14) ; U2.N6@1830.71,728.35 U2.N7@1870.08,728.35 v1(1889.76,708.66) ; U2.N13@2106.3,728.35 2126.61,708.03 v1(2126.61,657.72) ; U2.K13@2106.3,846.46 v1(2126.61,866.77) ; U2.G13@2106.3,964.57 2127.95,986.22 2183.55,986.22 v1(2184.89,984.88) ; U3.48@2175.2,1413.39 2175.2,1306.05 v1(2178.17,1303.07) ; U3.54@2293.31,1413.39 2293.66,1413.03 2293.66,1384.36 2298.35,1379.67 2312.99,1379.67 ; U3.55@2312.99,1413.39 2312.99,1379.67 ; v1(2358.27,1360) 2332.66,1360 2312.99,1379.67 ; U3.14@2366.14,1702.76 2366.14,1717.33 2387,1738.19 v1(2387,1744.09)
  Component Side w10: R32.1@1968.46,1802 2028.14,1802 2042.14,1788 v1@2043,1788
  Component Side w12: v1(1653.54,708.66) U2.N2@1673.23,728.35 ; v1(1889.76,708.66) U2.N8@1909.45,728.35
  Solder Side w10: R25.1@1250.69,2033.46 1250.69,1953.31 v1(1404,1800) ; C40.2@1359.56,855 v1@1409,855 ; C39.2@1567.56,1350 1615,1350 v1(1617,1348) ; v1(1889.76,708.66) 1966.34,708.66 R30.1@1975,700
  Solder Side w12: R31.1@1818,699.54 1877.39,699.54 1885.86,708 v1@1886,708
  Solder Side w20: v1@1409,855 1409.23,854.77 1409.23,852.41 1409,852.17 1409,756 1357,704 1357,621.72 1368.72,610 1432.54,610 1433.54,609 1479.46,609 1496,625.54 1496,678 1526.66,708.66 v1(1653.54,708.66) 1653.54,707.58 1646,700.04 C54.1@1646,659.11 ; C58.1@1683.86,1033.15 1683.86,995.26 1693.16,985.96 v1(1693.16,984.88) 1709.3,968.74 1729.68,968.74 C53.1@1732.28,966.14 ; C55.1@1889.13,667.72 1889.76,668.35 v1(1889.76,708.66) ; v1(2041,1789) 2041,1768 2100,1709 2100,1602 ; 2099,1604 2098,1603 2098,1365.92 2109.72,1354.2 2131.24,1354.2 C12.1@2136,1349.44 ; U10.3@2113.28,2125.21 2116.07,2128 2148,2128 ; v1(2126.61,866.77) 2126.61,865.69 2127.56,864.74 C56.1@2127.56,826 ; C12.1@2138,1349 2140.38,1349 2144.7,1344.68 2144.7,1336.54 v1(2178.17,1303.07) ; v1(2168,2080) 2167.23,2080.77 2167.23,2083.59 2167,2083.83 2167,2090.55 2148,2109.55 2148,2128 ; C69.1@2179.44,2128 2148,2128 ; v1@2187,984 2196.07,993.07 2211.4,993.07 C52.1@2214,995.67 ; C52.1@2222,994 2229.78,986.22 C57.1@2272.14,986.22 ; v1(2281,771) 2309.45,799.45 J10.1@2344,799.45 ; C7.1@2297,1479 2297,1543.44 C10.1@2300.56,1547 ; C10.1@2299,1547 2303,1551 2303,1574 2320.28,1591.28 v1(2447,1591.28) ; C7.1@2301.18,1486.22 2301.18,1403.82 2344.23,1360.77 2357.23,1360.77 v1@2359,1359 ; C8.1@2354,1813 2356.88,1815.88 C8.1@2357,1815.88 C11.1@2422,1815.88 ; v1(2387,1744.09) 2387,1807 2389,1809
  other v1: 1410,856 1450,1620 1367,1621 1406,1664 1367,1704 1447,1704
VCCSAM: C23.1 C24.1 C25.1 C26.1 C27.1 C28.1 C34.1 C39.1 C40.1 C67.1 C68.1 J6.1 L1.1 R10.1 R11.1 R12.1 R13.1 R14.2 R16.2 SJ1.2 U7.1 U7.2 U7.4 U7.22 U7.36 U7.45 U7.53 U7.60 U7.73 U7.88 U11.2 U11.4 | length 5755.5
  Component Side w6: U7.36@1339.57,984.88 1407.72,984.88 1416.34,993.5 1445.2,993.5 C24.1@1447.75,990.95 ; U7.45@1339.57,1162.05 1402.56,1162.05
  Component Side w8: U7.88@747.05,1024.25 790,1024.25 808.66,1005.59 v1(883.86,1005.59) ; U7.1@807.09,727.99 807.09,648 826.77,648 U7.2@826.77,727.99 ; 842,818 866.14,793.86 U7.4@866.14,727.99 C27.1@866.14,643 ; U7.73@846.46,1320.51 v1(846.46,1375.39) ; v1(1025.59,1255.83) 1040.28,1241.14 1092.41,1241.14 1102.36,1251.09 U7.60@1102.36,1320.51 ; v1(1218.49,860) 1220.47,858.02 U7.22@1220.47,727.99 ; U7.53@1240.16,1320.51 1240.16,1268.69 1244.84,1264 v1(1246.79,1264)
  Component Side w12: C24.1@1447.75,990.95 1447.75,1017.75 1468,1038 v1(1468,1087.6) 1468,1123.85 1456.77,1135.08 1456.77,1154.09 C23.1@1448.82,1162.05
  Component Side w20: 631,391 690.94,450.94 690.94,643 ; C28.1@798,644.11 692.06,644.11 690.94,643 ; v1(880,861) v1@880,865 ; v1(883.86,1005.59) 883.86,868.86 v1@880,865 ; 1402.56,1162.05 C23.1@1448.82,1162.05 1448.82,1229.27 1479.53,1259.98 v1(1479.53,1299.21) ; 690.94,643 690.94,675.94 v1@880,865
  Component Side w25: C67.1@265,160 267.56,162.56 C68.1@267.56,226 ; 274,175 378.54,175 U11.2@380.91,177.36 456.64,177.36 461,173
  Component Side w100: 461,173 606.65,173 U11.4@611.22,177.57 ; U11.4@611.22,177.36 U11.4@611.22,177.57 ; 631,391 611.22,371.22 U11.4@611.22,177.57
  Power Plane w25: v1(1025.59,1255.83) 1049.56,1231.86 1217.26,1231.86 1246.79,1261.39 v1(1246.79,1264)
  Solder Side w8: C26.1@836.61,1029.06 862.68,1029.06 v1@883.86,1007.87 ; C25.1@846.46,1395.28 C25.1@846.46,1401.57 ; v1(883.86,1005.59) 1048.13,1005.59 1048.18,1005.63 1055.05,1005.63 R10.1@1068.5,1019.09 ; 1026,1318.83 1036.32,1329.15 1061.87,1329.15 J6.1@1069.68,1336.96 ; v1@1245,1264 1246.79,1265.79 C34.1@1246.79,1438.98 ; SJ1.2@1340.28,1207 1348,1207 1348.78,1206.22 SJ1.2@1352,1206.22 1355.03,1209.25 1355.03,1226.03 1393,1264 1412,1264 1420.28,1272.28 1420.28,1281.59 1421.69,1283 R14.2@1431,1283
  Solder Side w12: R10.1@1068.5,1019.09 1282.64,1019.09 1310.99,1047.44 1329.52,1047.44 R16.2@1329.72,1047.24
  Solder Side w20: v1(846.46,1375.39) 861.84,1360 1014.28,1360 1026,1348.28 1026,1318.83 v1@1026,1261 ; v1(880,861) 880.77,861.77 880.77,877.77 905,902 1203,902 1211,894 ; v1@889,1008 892,1008 892,1060.04 894.92,1062.96 894.92,1128.81 906.64,1140.53 911.97,1140.53 914.57,1143.13 L1.1@914.57,1148.64 ; 970,1008 1025.59,1063.59 v1(1025.59,1255.83) ; C40.1@1304.44,855 1304.44,855.24 1299.68,860 1219,860 1219,886 1211,894 ; R14.2@1431.1,1297.24 1476.47,1297.24 1480.29,1301.06 1480.29,1317.85 1503.74,1341.3 1507.68,1341.3 1512.44,1346.06 C39.1@1512.44,1350 ; v1(1468,1087.6) 1468,1086.52 1471.5,1083.02 1471.5,1046.5 1420.28,995.28 1420.28,974.8 1397.48,952 1269,952 1211,894
pads on no net: C59.0 C60.0 C61.0 C62.0 C63.0 C64.0 C65.0 D1.0 D2.0 D3.0 D4.0 D5.0 D6.0 J1.4 J2.1 J2.3 J2.8 J2.18 J2.20 J3.4 J6.7 J10.7 J10.10 R1.0 R2.0 R3.0 R4.0 R5.0 R6.0 R7.0 R8.0 R9.0 R10.0 R11.0 R12.0 R13.0 R14.0 R15.0 R16.0 R17.0 R18.0 R19.0 R20.0 R21.0 R22.0 R23.0 R24.0 R25.0 R26.0 R27.0 R28.0 R29.0 R30.0 R31.0 R32.0 R33.0 R34.0 R35.0 R36.0 R37.0 R38.0 R39.0 R40.0 R41.0 R42.0 R43.0 R44.0 R45.0 R46.0 R47.0 R48.0 R49.0 R50.0 R51.0 R52.0 R53.0 U2.B8 U2.C3 U2.C4 U2.C5 U2.D3 U2.D4 U2.D12 U2.E4 U2.E12 U2.F4 U2.F7 U2.F8 U2.F12 U2.G4 U2.G7 U2.G8 U2.H4 U2.H7 U2.H8 U2.H11 U2.H12 U2.J4 U2.J7 U2.J8 U2.J11 U2.L5 U2.M4 U2.M5 U3.6 U4.3 U5.3 U7.5 U7.6 U7.10 U7.11 U7.12 U7.13 U7.21 U7.26 U7.27 U7.28 U7.29 U7.30 U7.31 U7.32 U7.33 U7.37 U7.38 U7.39 U7.40 U7.41 U7.47 U7.49 U7.50 U7.63 U7.64 U7.84 U7.96 U8.6 U8.8 U8.16 U9.6 U9.8 U9.16
copper on no net: | length 15.3
  Solder Side w20: 177.17,1370.47 188,1381.31
  other v2: 560,560 2690,560 560,1660 2690,1660

## Polygon pours and split planes (outlines as drawn)
VCCIO on Power Plane "VCCIO_L03_P010" (solid, remove dead copper, pour order 10): 898,50986 898,2320 3385,2320 3385,-228 -608.29,-228
VCCINT on Power Plane "VCCINT_L03_P002" (solid, remove dead copper, pour order 2): 1940.24,1397.64 1940.24,1372.42 1954.39,1358.27 1956.69,1339.85 1956.69,896.53 1906.3,846.14 1778.22,846.46 1738,886.68 1738,955.29 1781.5,998.78 1781.5,1367.8 1811.34,1397.64
VCCSAM on Component Side "Component Side-VCCSAM" (solid, pour order 14): 403,547.91 523.79,427.12 632.92,427.12 673.61,386.43 673.61,82.1 645.14,53.63 499.16,53.63 465,87.79 465,324.44 438.97,350.47 372.18,350.47 346.68,375.97 346.68,547.55 359.13,560 394.67,560 403,551.67
VCCIO on Component Side "VCCIO_L01_P008" (solid, remove dead copper, pour order 8): 1236,1914 1322,1914 1339,1897 1487,1897 cw(c1487,1890) 1494,1890 1494,1620 cw(c1465,1620) 1465,1591 1326,1591 cw(c1326,1691) 1226,1691 1226,1906 cw(c1235,1906) 1235,1915
VCCINT on Component Side "VCCINT_L01_P006" (solid, remove dead copper, pour order 6): 1695.13,2027.56 cw(c1703.98,2027.56) 1703.98,2036.42 1841.08,2036.42 cw(c1841.08,2021.2) 1856.3,2021.2 1856.3,1588.15 ccw(c1909.45,1588.15) 1909.45,1535 cw(c1909.45,1521.22) 1923.23,1521.22 1923.23,1285.35 cw(c1916.04,1285.35) 1916.04,1278.17 1840.78,1278.17 cw(c1840.78,1288.24) 1830.71,1288.24 1830.71,1413.83 ccw(c1738.63,1413.83) 1738.63,1505.91 cw(c1738.63,1551.38) 1693.16,1551.38 1693.16,1968.5
VCCINT on Component Side "VCCINT_L01_P004" (solid, remove dead copper, pour order 4): 1700.9,2037.4
VCC1V8 on Solder Side "VCC1V8_L04_P012" (solid, remove dead copper, pour order 12): 1995,2186 cw(c2003,2186) 2003,2194 2039,2194 cw(c2039,2182) 2051,2182 2051,2083 ccw(c2088,2083) 2088,2046 2202,2046 cw(c2202,2020) 2228,2020 2228,1941 cw(c2219,1941) 2219,1932 2175,1932 ccw(c2175,1898) 2141,1898 2141,1842 cw(c2120,1842) 2120,1821 1803,1821 cw(c1803,1843) 1781,1843 1781,2048 cw(c1795,2048) 1795,2062 1973,2062 ccw(c1973,2078) 1989,2078 1989,2182 cw(c2001,2182) 2001,2194
GND on Ground Plane "GND_L02_P000" (solid, pour order 0): -118.11,2303.15 -98.43,2283.46 3405.51,2283.46 3405.51,39.37 3287.4,-78.74 -98.43,-78.74

## Silkscreen, mask and mechanical layers (free items; w line width, h text height)
Top Overlay:
  text "Host" at 2972.44,1899.61 h80 r270
  text "PhyWhisperer-USB" at 988.13,1406.13 h120
  text "ChipWhisperer" at 436.27,1173.13 h80 r270
  text "Rev: 04A" at 2374,894 h100 r90
  text "Target" at 2765.75,885.83 h80 r270
  text "NewAE Technology Inc." at 1229,537 h100
  text "Digital I/O (Backside)" at 1328.74,116.14 h80
Bottom Overlay:
  text "ERASE" at 1589.57,1195.23 h40
  text "C" at 519.19,319.4 h250
  text "p" at 613.53,50.67 h250
  text "W" at 393.56,48.44 h250
Mechanical 1:
  lines w10: -35.43,0 -35.43,216.54 cw(c-15.75,216.54) -15.75,236.22 59.06,236.22 ccw(c59.06,255.91) 78.74,255.91 78.74,1573.46 ccw(c57.72,1573.46) 57.72,1594.49 16.73,1594.49 cw(c16.73,1611.22) 0,1611.22 0,2003.54 0,2007 ccw(c-14,2007) -14,2021 cw(c-14,2042.43) -35.43,2042.43 -35.43,2230 699.84,2230 699.84,2118.16 700.16,2118.16 700.16,2092.13 ccw(c820,2092.13) 820,1972.29 ccw(c820,2092.13) 939.84,2092.13 940.16,2109 940.16,2230 2300,2230 2309.68,2230 2309.84,2229.84 2309.84,2101 2310.16,2092.13 ccw(c2430,2092.13) 2430,1972.29 ccw(c2430,2092.13) 2549.84,2092.13 2550.16,2101 2550.16,2230 3250,2230 3285.43,2230 3285.43,2076 ccw(c3285.43,2040.57) 3250,2040.57 3250,1659.92 ccw(c3285.43,1659.92) 3285.43,1624.49 3285.43,0 3250,0 2550.16,0 2550.16,130 2549.84,137.87 ccw(c2430,137.87) 2430,257.71 ccw(c2430,137.87) 2310.16,137.87 2309.84,130 2309.84,0 940.16,0 940.16,129 939.84,137.87 ccw(c820,137.87) 820,257.71 ccw(c820,137.87) 700.16,137.87 699.84,129 699.84,0 -35.43,0

## Text inside footprints (layer, text, board x,y; h text height)
J2: Bottom Overlay "19" at 257.17,430.47 h100 r90; Bottom Overlay "1" at 257.17,1450.47 h100 r90; Top Overlay "20" at 197.17,340.47 h100 r90; Top Overlay "2" at 207.17,1410.47 h100 r90